# Altium PCB PASS Capstone.PcbDoc (part 4 of 6)
Units mil, origin at the board's own origin, x right, y up, seen from the top; angles counter-clockwise.
Board outline 9510 x 7745.39 mil, 2 copper layers (L1, L2), stack 62.756 mil thick; 838 components, 509 nets, 2130 pads, 378 vias.
Unrouted connection lines stored in the file: 795.
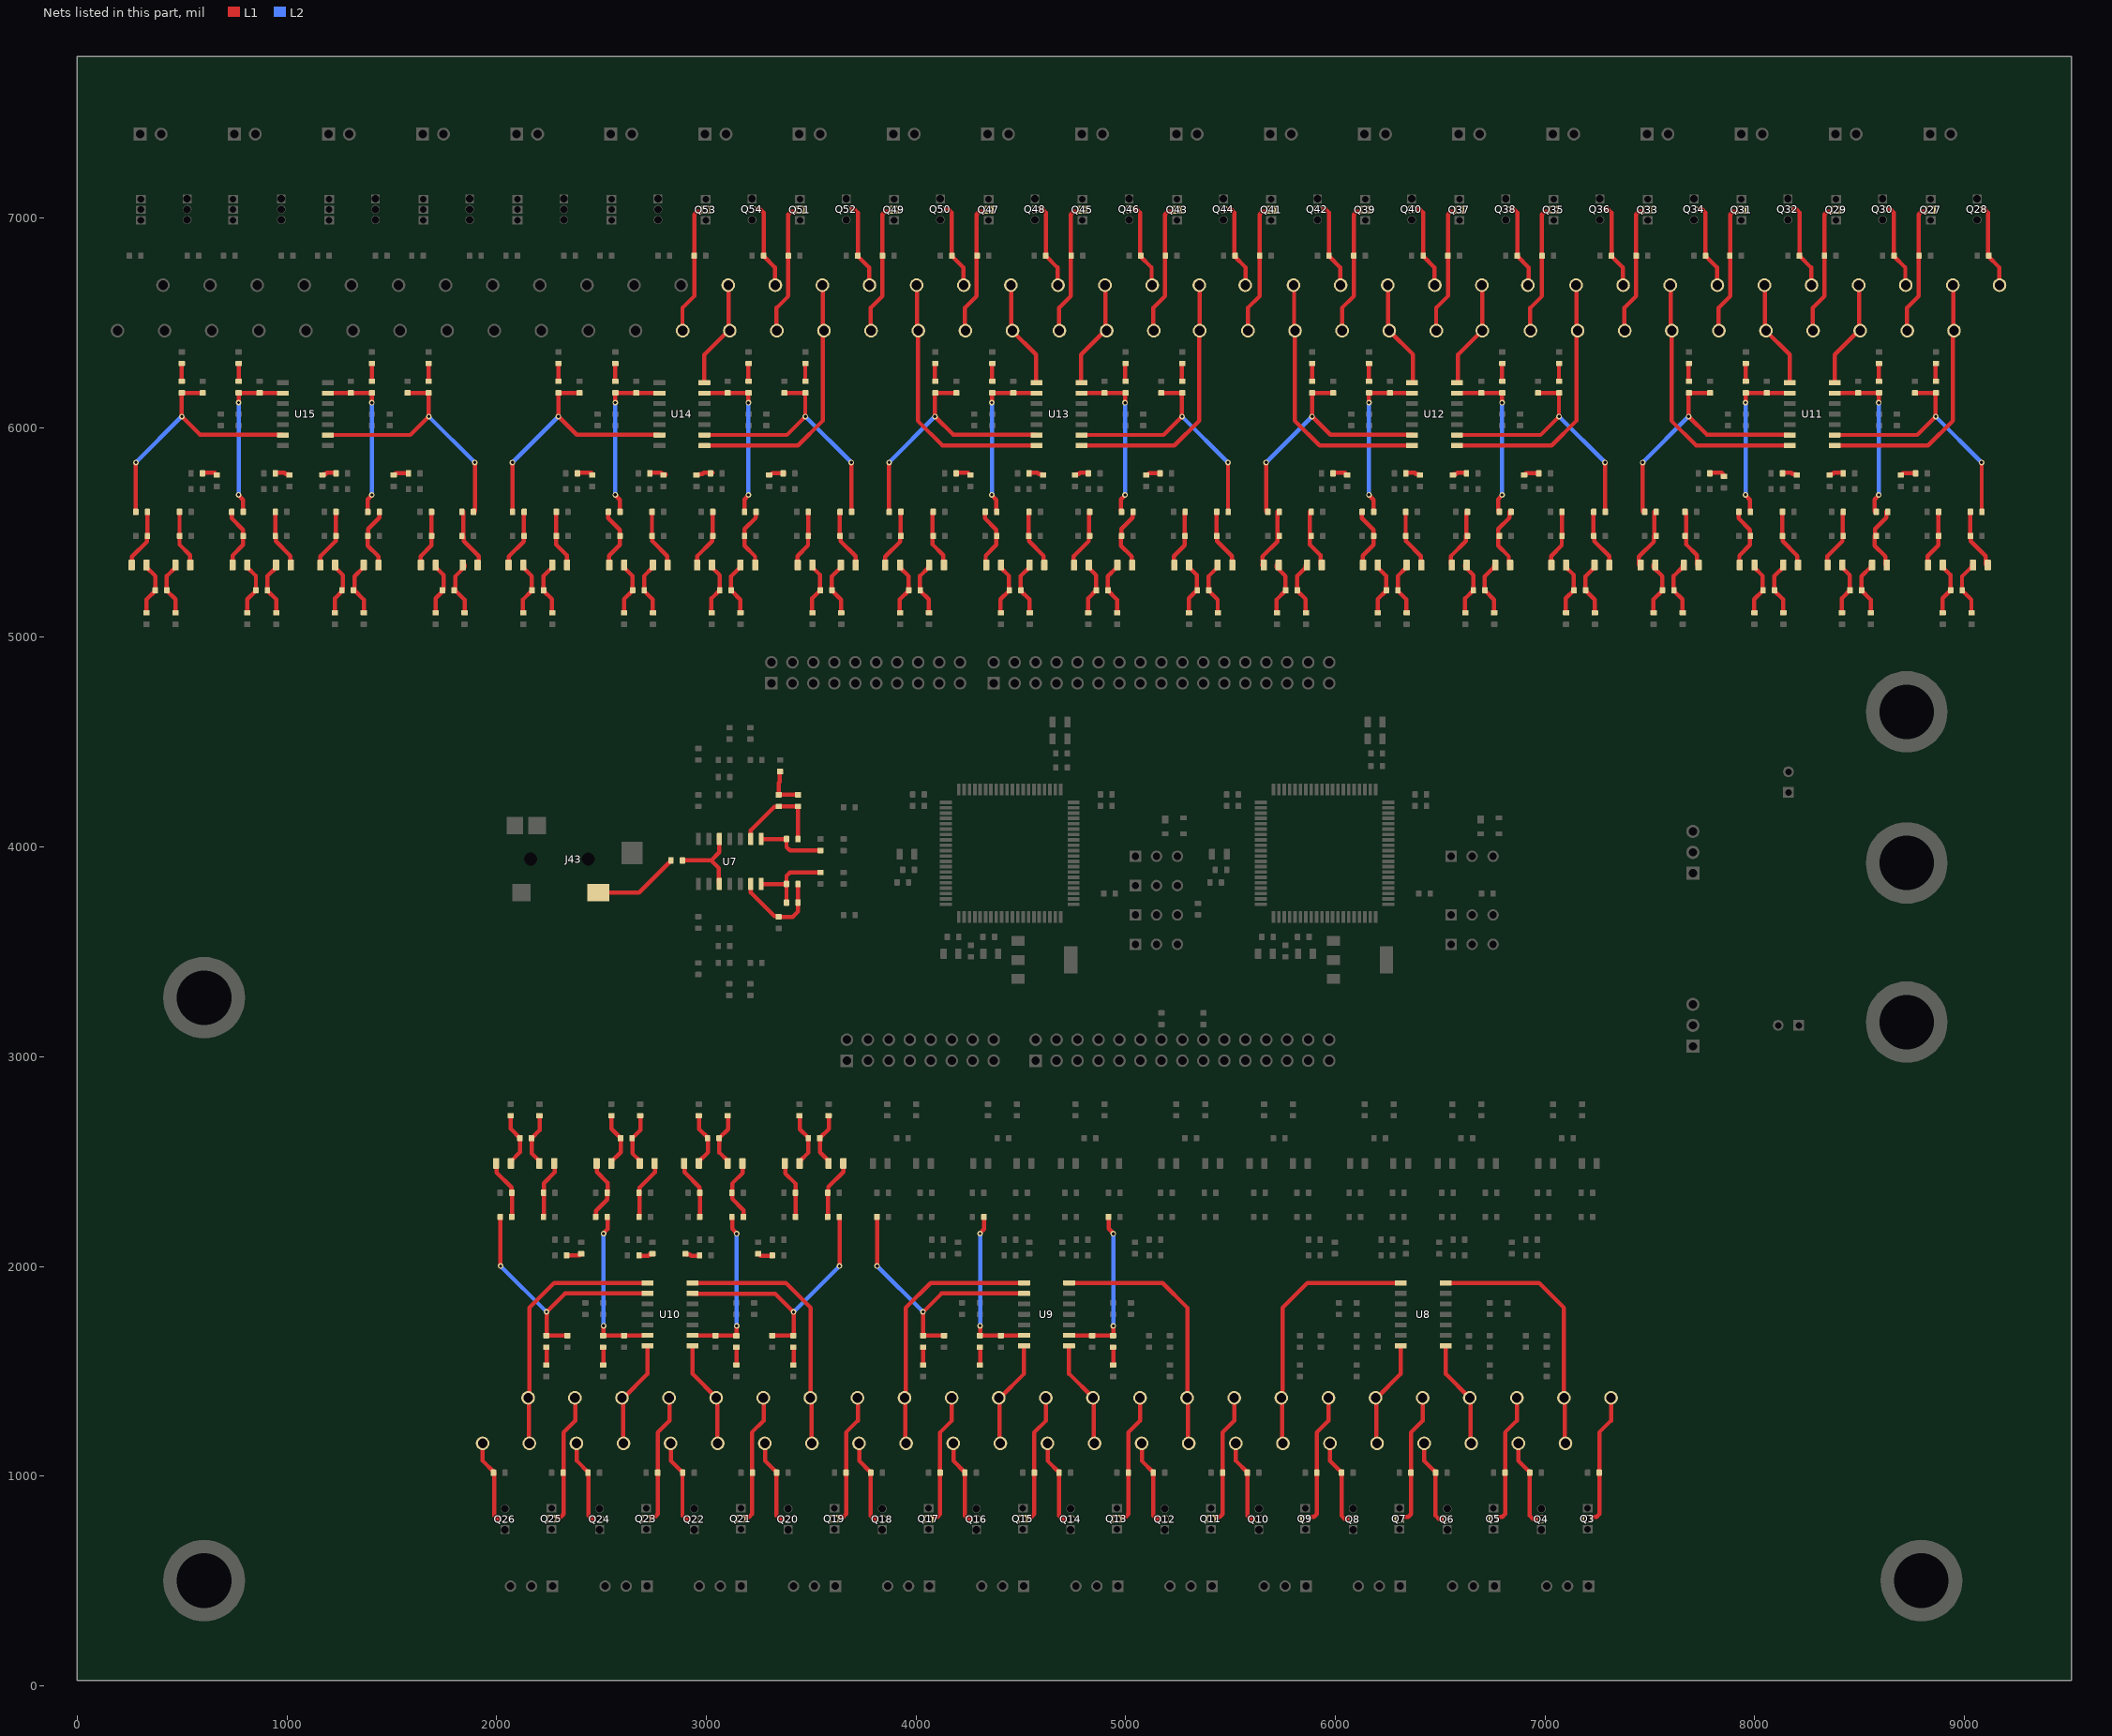
[diagram p4: the nets of this part, all layers, seen from the top]

## Via types
v1: diameter 27, hole 15, L1 to L2, 375 vias
v2: diameter 70, hole 60, L1 to L2, 2 vias
v3: diameter 25, hole 15, L1 to L2, 1 vias

## Nets (pads, with @x,y where several pads share a name; then routed paths per layer and width w, separated by ;. In a path a pad name is that pad's centre, name@x,y a point inside that pad or via, vN(x,y) a via of type N, cw(c..) or ccw(c..) an arc to the next point about the centre after c; other vN are vias at no path point) (continued)
NetC80_1: C80.1 R92.1 R106.2 U9.9 | length 786.4
  L1 w20: U9.9@4730.33,1671.22 4730.93,1670.63 4840.47,1670.63 4841.07,1670.03 4941.07,1670.03 v1(4941.07,1716.22) ; R92.1@4919.49,2236.22 4919.49,2179.69 4941.07,2158.11 v1(4941.07,2156.22)
  L2 w20: v1(4941.07,1716.22) v1(4941.07,2156.22)
NetC80_2: C80.2 R110.2 | length 84.9
  L1 w20: R110.2@4941.07,1530.03 C80.2@4941.07,1614.91
NetC81_1: C81.1 R94.1 R107.2 U9.6 | length 783.1
  L1 w20: v1(4305.92,1716.81) 4305.92,1670.63 R107.2@4405.92,1670.63 ; v1(4305.92,2156.81) 4305.92,2158.71 4325.03,2177.82 R94.1@4325.03,2236.22 ; R107.2@4406.52,1671.22 U9.6@4516.07,1671.22
  L2 w20: v1(4305.92,1716.81) v1(4305.92,2156.81)
NetC81_2: C81.2 R111.2 | length 84.9
  L1 w20: R111.2@4305.92,1530.63 C81.2@4305.92,1615.51
NetC82_1: C82.1 R96.1 R108.2 U9.2 | length 1273.4
  L1 w20: R96.1@3814.59,2236.22 3814.59,2001.97 v1(3814.96,2001.59) ; R108.2@4134.86,1670.63 4034.86,1670.63 4034.86,1783.31 4122.15,1870.59 U9.2@4515.44,1870.59
  L2 w20: v1(3814.96,2001.59) 3815.18,2001.59 v1@4033.68,1783.09
  other v1: 4033.9,1783.09
NetC82_2: C82.2 R112.2 | length 84.9
  L1 w20: R112.2@4034.86,1530.63 C82.2@4034.86,1615.51
NetC87_1: C87.1 C91.1 R121.2 | length 259.1
  L1 w20: C91.1@3446.33,2491.22 3446.33,2501.85 3487.51,2543.03 3487.51,2611.22 3487.51,2613.18 3446.33,2654.36 R121.2@3446.33,2716.22
NetC87_2: C87.2 C92.1 R122.2 | length 259.8
  L1 w20: C92.1@3584.63,2491.22 3584.63,2501.85 3542.63,2543.86 3542.63,2611.22 3542.63,2613.18 3584.63,2655.19 R122.2@3584.63,2716.22
NetC88_1: C88.1 C93.1 R123.2 | length 259.5
  L1 w20: C93.1@2965.89,2491.22 2965.89,2501.85 3007.51,2543.47 3007.51,2611.22 3007.51,2613.18 2965.89,2654.8 R123.2@2965.89,2716.22
NetC88_2: C88.2 C94.1 R124.2 | length 259.1
  L1 w20: C94.1@3103.81,2491.22 3103.81,2501.85 3062.63,2543.03 3062.63,2611.22 3062.63,2613.18 3103.81,2654.36 R124.2@3103.81,2716.22
NetC89_1: C89.1 C95.1 R125.2 | length 257
  L1 w20: C95.1@2686.08,2490.06 2686.08,2500.69 2647.46,2539.3 2647.46,2610.06 2647.46,2612.02 2686.08,2650.63 R125.2@2686.08,2715.06
NetC89_2: C89.2 C96.1 R126.2 | length 261.6
  L1 w20: C96.1@2548.16,2490.06 2548.16,2500.69 2592.34,2544.87 2592.34,2610.06 2592.34,2612.02 2548.16,2656.2 R126.2@2548.16,2715.06
NetC90_1: C90.1 C97.1 R127.2 | length 256.6
  L1 w20: C97.1@2205.75,2490.09 2205.75,2500.72 2167.57,2538.9 2167.57,2610.09 2167.57,2612.05 2205.75,2650.23 R127.2@2205.75,2715.09
NetC90_2: C90.2 C98.1 R128.2 | length 262
  L1 w20: C98.1@2067.84,2490.09 2067.84,2500.72 2112.45,2545.34 2112.45,2610.09 2112.45,2612.05 2067.84,2656.67 R128.2@2067.84,2715.09
NetC91_2: C91.2 R129.2 R137.2 | length 276
  L1 w20: C91.2@3376.25,2491.22 3376.25,2444.45 3427.03,2393.67 3427.03,2351.22 R137.2@3427.03,2236.22
NetC92_2: C92.2 R130.1 R138.2 | length 285.8
  L1 w20: R130.1@3580.3,2351.22 3581.5,2352.42 3581.5,2378.5 3653.52,2450.53 3653.52,2490.03 C92.2@3654.71,2491.22 ; R138.2@3580.7,2236.22 R130.1@3580.7,2351.22
NetC93_2: C93.2 R131.2 R139.2 | length 283.2
  L1 w20: C93.2@2897.29,2489.35 2897.29,2447.81 2967.81,2377.29 2967.81,2353.24 2969.83,2351.22 R139.2@2969.83,2236.22
NetC94_2: C94.2 R132.1 R140.2 | length 298.9
  L1 w20: C94.2@3174.28,2491.22 3174.28,2446.28 3123.49,2395.49 3123.49,2351.22 3123.52,2322.77 3178.61,2267.68 R140.2@3178.61,2236.22
NetC95_2: C95.2 R133.2 R141.2 | length 280
  L1 w20: R141.2@2680.82,2236.22 R133.2@2680.82,2351.22 ; R133.2@2682.53,2351.22 2682.53,2376.65 2755.07,2449.18 C95.2@2755.07,2486.22
NetC96_2: C96.2 R134.1 R142.2 | length 295.7
  L1 w20: R142.2@2473.91,2236.22 2473.91,2265.07 2527.81,2318.96 2527.81,2350 R134.1@2529.03,2351.22 ; C96.2@2478.08,2488.1 2478.08,2449.92 2528.87,2399.13 R134.1@2528.87,2351.22
NetC97_2: C97.2 R135.2 R143.2 | length 273.8
  L1 w20: R135.2@2222.44,2345.13 2220.48,2345.13 2225.1,2340.51 R143.2@2225.1,2236.22 ; R135.2@2225.44,2350.09 2225.44,2397.44 2276.23,2448.23 C97.2@2276.23,2490.09
NetC98_2: C98.2 R136.1 R144.2 | length 282.8
  L1 w20: C98.2@1999.24,2488.22 1999.24,2448.76 2071,2377 2071,2353.93 2073.7,2351.22 R144.2@2073.7,2236.22
NetC99_2: C99.2 R149.2 | length 70.2
  L1 w20: C99.2@3249.66,2058.66 3251.62,2058.66 3259.07,2051.22 R149.2@3316.8,2051.22
NetC100_2: C100.2 R150.2 | length 70.7
  L1 w20: C100.2@2902.82,2060.01 2905.82,2057.01 2921.03,2057.01 2926.83,2051.22 R150.2@2969.83,2051.22
NetC101_2: C101.2 R151.2 | length 67.9
  L1 w20: R151.2@2680.82,2051.22 2723.82,2051.22 2729.62,2057.01 2742.07,2057.01 C101.2@2745.07,2060.01
NetC102_2: C102.2 R152.2 | length 70.2
  L1 w20: R152.2@2338.34,2052.57 2396.07,2052.57 2403.51,2060.01 C102.2@2405.47,2060.01
NetC103_1: C103.1 R138.1 R153.2 U10.13 | length 1277.6
  L1 w20: U10.13@2934.33,1871.22 2935.55,1870 3328.85,1870 v1(3416.13,1782.72) 3416.13,1670.03 3316.13,1670.03 R153.2@3314.91,1671.25 ; v1@3635.07,2001.22 3635.44,2001.59 3635.44,2235.85 R138.1@3635.82,2236.22
  L2 w20: v1(3416.13,1782.72) 3416.35,1782.72 3634.85,2001.22 v1@3635.07,2001.22
  other v1: 3635.07,2001.59
NetC103_2: C103.2 R157.2 | length 84.9
  L1 w20: R157.2@3416.13,1530.03 C103.2@3416.13,1614.91
NetC104_1: C104.1 R140.1 R154.2 U10.9 | length 786.4
  L1 w20: U10.9@2934.33,1671.22 2934.92,1670.63 3044.47,1670.63 3045.07,1670.03 3145.07,1670.03 v1(3145.07,1716.22) ; R140.1@3123.49,2236.22 3123.49,2179.69 3145.07,2158.11 v1(3145.07,2156.22)
  L2 w20: v1(3145.07,1716.22) v1(3145.07,2156.22)
NetC104_2: C104.2 R158.2 | length 84.9
  L1 w20: R158.2@3145.07,1530.03 C104.2@3145.07,1614.91
NetC105_1: C105.1 R142.1 R155.2 U10.6 | length 783.1
  L1 w20: v1(2509.92,1716.81) 2509.92,1670.63 R155.2@2609.92,1670.63 ; v1(2509.92,2156.81) 2509.92,2158.71 2529.03,2177.82 R142.1@2529.03,2236.22 ; R155.2@2610.52,1671.22 U10.6@2720.07,1671.22
  L2 w20: v1(2509.92,1716.81) v1(2509.92,2156.81)
NetC105_2: C105.2 R159.2 | length 84.9
  L1 w20: R159.2@2509.92,1530.63 C105.2@2509.92,1615.51
NetC106_1: C106.1 R144.1 R156.2 U10.2 | length 1273.4
  L1 w20: R144.1@2018.59,2236.22 2018.59,2001.97 v1(2018.96,2001.59) ; R156.2@2338.86,1670.63 2238.86,1670.63 2238.86,1783.31 2326.14,1870.59 U10.2@2719.44,1870.59
  L2 w20: v1(2018.96,2001.59) 2019.18,2001.59 v1@2237.68,1783.09
  other v1: 2237.9,1783.09
NetC106_2: C106.2 R160.2 | length 84.9
  L1 w20: R160.2@2238.86,1530.63 C106.2@2238.86,1615.51
NetC111_1: C111.1 C115.1 R169.2 | length 256.6
  L1 w20: R169.2@8895.4,5121.13 8895.4,5185.99 8933.58,5224.17 8933.58,5226.13 8933.58,5297.32 8895.4,5335.5 C115.1@8895.4,5346.13
NetC111_2: C111.2 C116.1 R170.2 | length 262
  L1 w20: R170.2@9033.32,5121.13 9033.32,5179.55 8988.7,5224.17 8988.7,5226.13 8988.7,5290.88 9033.32,5335.5 C116.1@9033.32,5346.13
NetC112_1: C112.1 C117.1 R171.2 | length 257
  L1 w20: R171.2@8415.07,5121.16 8415.07,5185.59 8453.69,5224.2 8453.69,5226.16 8453.69,5296.92 8415.07,5335.53 C117.1@8415.07,5346.16
NetC112_2: C112.2 C118.1 R172.2 | length 261.6
  L1 w20: R172.2@8552.99,5121.16 8552.99,5180.02 8508.81,5224.2 8508.81,5226.16 8508.81,5291.35 8552.99,5335.53 C118.1@8552.99,5346.16
NetC113_1: C113.1 C119.1 R173.2 | length 259.5
  L1 w20: R173.2@8135.26,5120 8135.26,5181.42 8093.65,5223.04 8093.65,5225 8093.65,5292.75 8135.26,5334.37 C119.1@8135.26,5345
NetC113_2: C113.2 C120.1 R174.2 | length 259.1
  L1 w20: R174.2@7997.35,5120 7997.35,5181.86 8038.53,5223.04 8038.53,5225 8038.53,5293.19 7997.35,5334.37 C120.1@7997.35,5345
NetC114_1: C114.1 C121.1 R175.2 | length 259.1
  L1 w20: R175.2@7654.83,5120 7654.83,5181.86 7613.65,5223.04 7613.65,5225 7613.65,5293.19 7654.83,5334.37 C121.1@7654.83,5345
NetC114_2: C114.2 C122.1 R176.2 | length 259.8
  L1 w20: R176.2@7516.52,5120 7516.52,5181.03 7558.53,5223.04 7558.53,5225 7558.53,5292.36 7516.52,5334.37 C122.1@7516.52,5345
NetC115_2: C115.2 R177.2 R185.2 | length 273.8
  L1 w20: C115.2@8824.93,5346.13 8824.93,5387.99 8875.72,5438.78 R177.2@8875.72,5486.13 ; R185.2@8876.06,5600 8876.06,5495.71 8880.68,5491.09 R177.2@8878.72,5491.09
NetC116_2: C116.2 R178.1 R186.2 | length 282.8
  L1 w20: R186.2@9027.45,5600 9027.45,5485 9030.16,5482.3 9030.16,5459.22 9101.91,5387.46 C116.2@9101.91,5348
NetC117_2: C117.2 R179.2 R187.2 | length 280
  L1 w20: C117.2@8346.09,5350 8346.09,5387.04 8418.62,5459.57 R179.2@8418.62,5485 ; R179.2@8420.33,5485 R187.2@8420.33,5600
NetC118_2: C118.2 R180.1 R188.2 | length 295.7
  L1 w20: R180.1@8572.12,5485 8573.35,5486.22 8573.35,5517.26 8627.24,5571.15 R188.2@8627.24,5600 ; R180.1@8572.28,5485 8572.28,5437.09 8623.07,5386.3 C118.2@8623.07,5348.12
NetC119_2: C119.2 R181.2 R189.2 | length 283.2
  L1 w20: R189.2@8131.33,5600 8131.33,5485 8133.34,5482.98 8133.34,5458.93 8203.86,5388.41 C119.2@8203.86,5346.88
NetC120_2: C120.2 R182.1 R190.2 | length 298.9
  L1 w20: R190.2@7922.54,5600 7922.54,5568.54 7977.63,5513.45 R182.1@7977.63,5485.03 ; C120.2@7926.87,5345 7926.87,5389.94 7977.66,5440.73 R182.1@7977.66,5485
NetC121_2: C121.2 R183.2 R191.2 | length 276
  L1 w20: R191.2@7674.12,5600 7674.12,5485 7674.12,5442.56 7724.91,5391.77 C121.2@7724.91,5345
NetC122_2: C122.2 R184.1 R192.2 | length 285.8
  L1 w20: C122.2@7446.44,5345 7447.63,5346.19 7447.63,5385.69 7519.65,5457.72 7519.65,5483.8 R184.1@7520.85,5485 ; R184.1@7520.46,5485 R192.2@7520.46,5600
NetC123_2: C123.2 R197.2 | length 70.2
  L1 w20: C123.2@8695.68,5776.21 8697.64,5776.21 8705.09,5783.65 R197.2@8762.82,5783.65
NetC124_2: C124.2 R198.2 | length 67.9
  L1 w20: C124.2@8356.09,5776.21 8359.09,5779.21 8371.54,5779.21 8377.33,5785 R198.2@8420.33,5785
NetC125_2: C125.2 R199.2 | length 70.7
  L1 w20: R199.2@8131.33,5785 8174.33,5785 8180.12,5779.21 8195.34,5779.21 C125.2@8198.34,5776.21
NetC126_2: C126.2 R200.2 | length 70.2
  L1 w20: R200.2@7784.36,5785 7842.09,5785 7849.53,5777.56 C126.2@7851.49,5777.56
NetC127_1: C127.1 R186.1 R201.2 U11.2 | length 1273.4
  L1 w20: U11.2@8381.71,5965.63 8775.01,5965.63 8862.29,6052.91 8862.29,6165.59 R201.2@8762.29,6165.59 ; v1(9082.19,5834.63) 9082.57,5834.25 R186.1@9082.57,5600
  L2 w20: v1@8863.47,6053.13 9081.98,5834.63 v1(9082.19,5834.63)
  other v1: 8863.26,6053.13
NetC127_2: C127.2 R205.2 | length 84.9
  L1 w20: C127.2@8862.29,6220.71 R205.2@8862.29,6305.59
NetC128_1: C128.1 R188.1 R202.2 U11.6 | length 783.1
  L1 w20: U11.6@8381.09,6165 R202.2@8490.64,6165 ; R202.2@8491.23,6165.59 8591.23,6165.59 v1(8591.23,6119.41) ; R188.1@8572.12,5600 8572.12,5658.4 8591.23,5677.51 v1(8591.23,5679.41)
  L2 w20: v1(8591.23,5679.41) v1(8591.23,6119.41)
NetC128_2: C128.2 R206.2 | length 84.9
  L1 w20: C128.2@8591.23,6220.71 R206.2@8591.23,6305.59
NetC129_1: C129.1 R190.1 R203.2 U11.9 | length 786.4
  L1 w20: v1(7956.09,5680) 7956.09,5678.11 7977.66,5656.53 R190.1@7977.66,5600 ; v1(7956.09,6120) 7956.09,6166.19 8056.09,6166.19 8056.68,6165.59 8166.23,6165.59 U11.9@8166.82,6165
  L2 w20: v1(7956.09,5680) v1(7956.09,6120)
NetC129_2: C129.2 R207.2 | length 84.9
  L1 w20: C129.2@7956.09,6221.31 R207.2@7956.09,6306.19
NetC130_1: C130.1 R192.1 R204.2 U11.13 | length 1277.6
  L1 w20: R192.1@7465.34,5600 7465.71,5600.37 7465.71,5834.63 v1@7466.09,5835 ; R204.2@7786.24,6164.97 7785.02,6166.19 7685.02,6166.19 v1(7685.02,6053.5) 7772.31,5966.22 8165.6,5966.22 U11.13@8166.82,5965
  L2 w20: v1@7466.09,5835 7466.3,5835 7684.81,6053.5 v1(7685.02,6053.5)
  other v1: 7466.09,5834.63
NetC130_2: C130.2 R208.2 | length 84.9
  L1 w20: C130.2@7685.02,6221.31 R208.2@7685.02,6306.19
NetC135_1: C135.1 C139.1 R217.2 | length 256.6
  L1 w20: R217.2@7099.4,5121.13 7099.4,5185.99 7137.58,5224.17 7137.58,5226.13 7137.58,5297.32 7099.4,5335.5 C139.1@7099.4,5346.13
NetC135_2: C135.2 C140.1 R218.2 | length 262
  L1 w20: R218.2@7237.31,5121.13 7237.31,5179.55 7192.7,5224.17 7192.7,5226.13 7192.7,5290.88 7237.31,5335.5 C140.1@7237.31,5346.13
NetC136_1: C136.1 C141.1 R219.2 | length 257
  L1 w20: R219.2@6619.07,5121.16 6619.07,5185.59 6657.69,5224.2 6657.69,5226.16 6657.69,5296.92 6619.07,5335.53 C141.1@6619.07,5346.16
NetC136_2: C136.2 C142.1 R220.2 | length 261.6
  L1 w20: R220.2@6756.99,5121.16 6756.99,5180.02 6712.81,5224.2 6712.81,5226.16 6712.81,5291.35 6756.99,5335.53 C142.1@6756.99,5346.16
NetC137_1: C137.1 C143.1 R221.2 | length 259.5
  L1 w20: R221.2@6339.26,5120 6339.26,5181.42 6297.64,5223.04 6297.64,5225 6297.64,5292.75 6339.26,5334.37 C143.1@6339.26,5345
NetC137_2: C137.2 C144.1 R222.2 | length 259.1
  L1 w20: R222.2@6201.35,5120 6201.35,5181.86 6242.53,5223.04 6242.53,5225 6242.53,5293.19 6201.35,5334.37 C144.1@6201.35,5345
NetC138_1: C138.1 C145.1 R223.2 | length 259.1
  L1 w20: R223.2@5858.83,5120 5858.83,5181.86 5817.64,5223.04 5817.64,5225 5817.64,5293.19 5858.83,5334.37 C145.1@5858.83,5345
NetC138_2: C138.2 C146.1 R224.2 | length 259.8
  L1 w20: R224.2@5720.52,5120 5720.52,5181.03 5762.53,5223.04 5762.53,5225 5762.53,5292.36 5720.52,5334.37 C146.1@5720.52,5345
NetC139_2: C139.2 R225.2 R233.2 | length 273.8
  L1 w20: C139.2@7028.93,5346.13 7028.93,5387.99 7079.71,5438.78 R225.2@7079.71,5486.13 ; R233.2@7080.05,5600 7080.05,5495.71 7084.68,5491.09 R225.2@7082.71,5491.09
NetC140_2: C140.2 R226.1 R234.2 | length 282.8
  L1 w20: R234.2@7231.45,5600 7231.45,5485 7234.15,5482.3 7234.15,5459.22 7305.91,5387.46 C140.2@7305.91,5348
NetC141_2: C141.2 R227.2 R235.2 | length 280
  L1 w20: C141.2@6550.09,5350 6550.09,5387.04 6622.62,5459.57 R227.2@6622.62,5485 ; R227.2@6624.33,5485 R235.2@6624.33,5600
NetC142_2: C142.2 R228.1 R236.2 | length 295.7
  L1 w20: R228.1@6776.12,5485 6777.34,5486.22 6777.34,5517.26 6831.24,5571.15 R236.2@6831.24,5600 ; R228.1@6776.28,5485 6776.28,5437.09 6827.07,5386.3 C142.2@6827.07,5348.12
NetC143_2: C143.2 R229.2 R237.2 | length 283.2
  L1 w20: R237.2@6335.32,5600 6335.32,5485 6337.34,5482.98 6337.34,5458.93 6407.86,5388.41 C143.2@6407.86,5346.88
NetC144_2: C144.2 R230.1 R238.2 | length 298.9
  L1 w20: R238.2@6126.54,5600 6126.54,5568.54 6181.63,5513.45 R230.1@6181.63,5485.03 ; C144.2@6130.87,5345 6130.87,5389.94 6181.66,5440.73 R230.1@6181.66,5485
NetC145_2: C145.2 R231.2 R239.2 | length 276
  L1 w20: R239.2@5878.12,5600 5878.12,5485 5878.12,5442.56 5928.91,5391.77 C145.2@5928.91,5345
NetC146_2: C146.2 R232.1 R240.2 | length 285.8
  L1 w20: C146.2@5650.44,5345 5651.63,5346.19 5651.63,5385.69 5723.65,5457.72 5723.65,5483.8 R232.1@5724.85,5485 ; R232.1@5724.46,5485 R240.2@5724.46,5600
NetC147_2: C147.2 R245.2 | length 70.2
  L1 w20: C147.2@6899.68,5776.21 6901.64,5776.21 6909.08,5783.65 R245.2@6966.82,5783.65
NetC148_2: C148.2 R246.2 | length 67.9
  L1 w20: C148.2@6560.09,5776.21 6563.09,5779.21 6575.54,5779.21 6581.33,5785 R246.2@6624.33,5785
NetC149_2: C149.2 R247.2 | length 70.7
  L1 w20: R247.2@6335.32,5785 6378.32,5785 6384.12,5779.21 6399.34,5779.21 C149.2@6402.34,5776.21
NetC150_2: C150.2 R248.2 | length 70.2
  L1 w20: R248.2@5988.36,5785 6046.09,5785 6053.53,5777.56 C150.2@6055.49,5777.56
NetC151_1: C151.1 R234.1 R249.2 U12.2 | length 1273.4
  L1 w20: U12.2@6585.71,5965.63 6979.01,5965.63 7066.29,6052.91 7066.29,6165.59 R249.2@6966.29,6165.59 ; v1(7286.19,5834.63) 7286.57,5834.25 R234.1@7286.57,5600
  L2 w20: v1@7067.47,6053.13 7285.98,5834.63 v1(7286.19,5834.63)
  other v1: 7067.26,6053.13
NetC151_2: C151.2 R253.2 | length 84.9
  L1 w20: C151.2@7066.29,6220.71 R253.2@7066.29,6305.59
NetC152_1: C152.1 R236.1 R250.2 U12.6 | length 783.1
  L1 w20: U12.6@6585.09,6165 R250.2@6694.63,6165 ; R250.2@6695.23,6165.59 6795.23,6165.59 v1(6795.23,6119.41) ; R236.1@6776.12,5600 6776.12,5658.4 6795.23,5677.51 v1(6795.23,5679.41)
  L2 w20: v1(6795.23,5679.41) v1(6795.23,6119.41)
NetC152_2: C152.2 R254.2 | length 84.9
  L1 w20: C152.2@6795.23,6220.71 R254.2@6795.23,6305.59
NetC153_1: C153.1 R238.1 R251.2 U12.9 | length 786.4
  L1 w20: v1(6160.09,5680) 6160.09,5678.11 6181.66,5656.53 R238.1@6181.66,5600 ; v1(6160.09,6120) 6160.09,6166.19 6260.09,6166.19 6260.68,6165.59 6370.23,6165.59 U12.9@6370.82,6165
  L2 w20: v1(6160.09,5680) v1(6160.09,6120)
NetC153_2: C153.2 R255.2 | length 84.9
  L1 w20: C153.2@6160.09,6221.31 R255.2@6160.09,6306.19
NetC154_1: C154.1 R240.1 R252.2 U12.13 | length 1277.6
  L1 w20: R240.1@5669.34,5600 5669.71,5600.37 5669.71,5834.63 v1@5670.09,5835 ; R252.2@5990.24,6164.97 5989.02,6166.19 5889.02,6166.19 v1(5889.02,6053.5) 5976.31,5966.22 6369.6,5966.22 U12.13@6370.82,5965
  L2 w20: v1@5670.09,5835 5670.3,5835 5888.81,6053.5 v1(5889.02,6053.5)
  other v1: 5670.09,5834.63
NetC154_2: C154.2 R256.2 | length 84.9
  L1 w20: C154.2@5889.02,6221.31 R256.2@5889.02,6306.19
NetC159_1: C159.1 C163.1 R265.2 | length 256.6
  L1 w20: R265.2@5301.06,5121.13 5301.06,5185.99 5339.24,5224.17 5339.24,5226.13 5339.24,5297.32 5301.06,5335.5 C163.1@5301.06,5346.13
NetC159_2: C159.2 C164.1 R266.2 | length 262
  L1 w20: R266.2@5438.98,5121.13 5438.98,5179.55 5394.36,5224.17 5394.36,5226.13 5394.36,5290.88 5438.98,5335.5 C164.1@5438.98,5346.13
NetC160_1: C160.1 C165.1 R267.2 | length 257
  L1 w20: R267.2@4820.74,5121.16 4820.74,5185.59 4859.35,5224.2 4859.35,5226.16 4859.35,5296.92 4820.74,5335.53 C165.1@4820.74,5346.16
NetC160_2: C160.2 C166.1 R268.2 | length 261.6
  L1 w20: R268.2@4958.65,5121.16 4958.65,5180.02 4914.47,5224.2 4914.47,5226.16 4914.47,5291.35 4958.65,5335.53 C166.1@4958.65,5346.16
NetC161_1: C161.1 C167.1 R269.2 | length 259.5
  L1 w20: R269.2@4540.93,5120 4540.93,5181.42 4499.31,5223.04 4499.31,5225 4499.31,5292.75 4540.93,5334.37 C167.1@4540.93,5345
NetC161_2: C161.2 C168.1 R270.2 | length 259.1
  L1 w20: R270.2@4403.01,5120 4403.01,5181.86 4444.19,5223.04 4444.19,5225 4444.19,5293.19 4403.01,5334.37 C168.1@4403.01,5345
NetC162_1: C162.1 C169.1 R271.2 | length 259.1
  L1 w20: R271.2@4060.49,5120 4060.49,5181.86 4019.31,5223.04 4019.31,5225 4019.31,5293.19 4060.49,5334.37 C169.1@4060.49,5345
NetC162_2: C162.2 C170.1 R272.2 | length 259.8
  L1 w20: R272.2@3922.18,5120 3922.18,5181.03 3964.19,5223.04 3964.19,5225 3964.19,5292.36 3922.18,5334.37 C170.1@3922.18,5345
NetC163_2: C163.2 R273.2 R281.2 | length 273.8
  L1 w20: C163.2@5230.59,5346.13 5230.59,5387.99 5281.38,5438.78 R273.2@5281.38,5486.13 ; R281.2@5281.72,5600 5281.72,5495.71 5286.34,5491.09 R273.2@5284.38,5491.09
NetC164_2: C164.2 R274.1 R282.2 | length 282.8
  L1 w20: R282.2@5433.11,5600 5433.11,5485 5435.82,5482.3 5435.82,5459.22 5507.58,5387.46 C164.2@5507.58,5348
NetC165_2: C165.2 R275.2 R283.2 | length 280
  L1 w20: C165.2@4751.75,5350 4751.75,5387.04 4824.28,5459.57 R275.2@4824.28,5485 ; R275.2@4826,5485 R283.2@4826,5600
NetC166_2: C166.2 R276.1 R284.2 | length 295.7
  L1 w20: R276.1@4977.78,5485 4979.01,5486.22 4979.01,5517.26 5032.9,5571.15 R284.2@5032.9,5600 ; R276.1@4977.95,5485 4977.95,5437.09 5028.74,5386.3 C166.2@5028.74,5348.12
NetC167_2: C167.2 R277.2 R285.2 | length 283.2
  L1 w20: R285.2@4536.99,5600 4536.99,5485 4539.01,5482.98 4539.01,5458.93 4609.52,5388.41 C167.2@4609.52,5346.88
NetC168_2: C168.2 R278.1 R286.2 | length 298.9
  L1 w20: R286.2@4328.21,5600 4328.21,5568.54 4383.3,5513.45 R278.1@4383.3,5485.03 ; C168.2@4332.54,5345 4332.54,5389.94 4383.32,5440.73 R278.1@4383.32,5485
NetC169_2: C169.2 R279.2 R287.2 | length 276
  L1 w20: R287.2@4079.78,5600 4079.78,5485 4079.78,5442.56 4130.57,5391.77 C169.2@4130.57,5345
NetC170_2: C170.2 R280.1 R288.2 | length 285.8
  L1 w20: C170.2@3852.1,5345 3853.29,5346.19 3853.29,5385.69 3925.31,5457.72 3925.31,5483.8 R280.1@3926.51,5485 ; R280.1@3926.12,5485 R288.2@3926.12,5600
NetC171_2: C171.2 R293.2 | length 70.2
  L1 w20: C171.2@5101.35,5776.21 5103.31,5776.21 5110.75,5783.65 R293.2@5168.48,5783.65
NetC172_2: C172.2 R294.2 | length 67.9
  L1 w20: C172.2@4761.75,5776.21 4764.75,5779.21 4777.2,5779.21 4783,5785 R294.2@4826,5785
NetC173_2: C173.2 R295.2 | length 70.7
  L1 w20: R295.2@4536.99,5785 4579.99,5785 4585.78,5779.21 4601,5779.21 C173.2@4604,5776.21
NetC174_2: C174.2 R296.2 | length 70.2
  L1 w20: R296.2@4190.02,5785 4247.75,5785 4255.19,5777.56 C174.2@4257.15,5777.56
NetC175_1: C175.1 R282.1 R297.2 U13.2 | length 1273.4